# Altium PCB NG2093.PcbDoc (part 1 of 8) (continued)
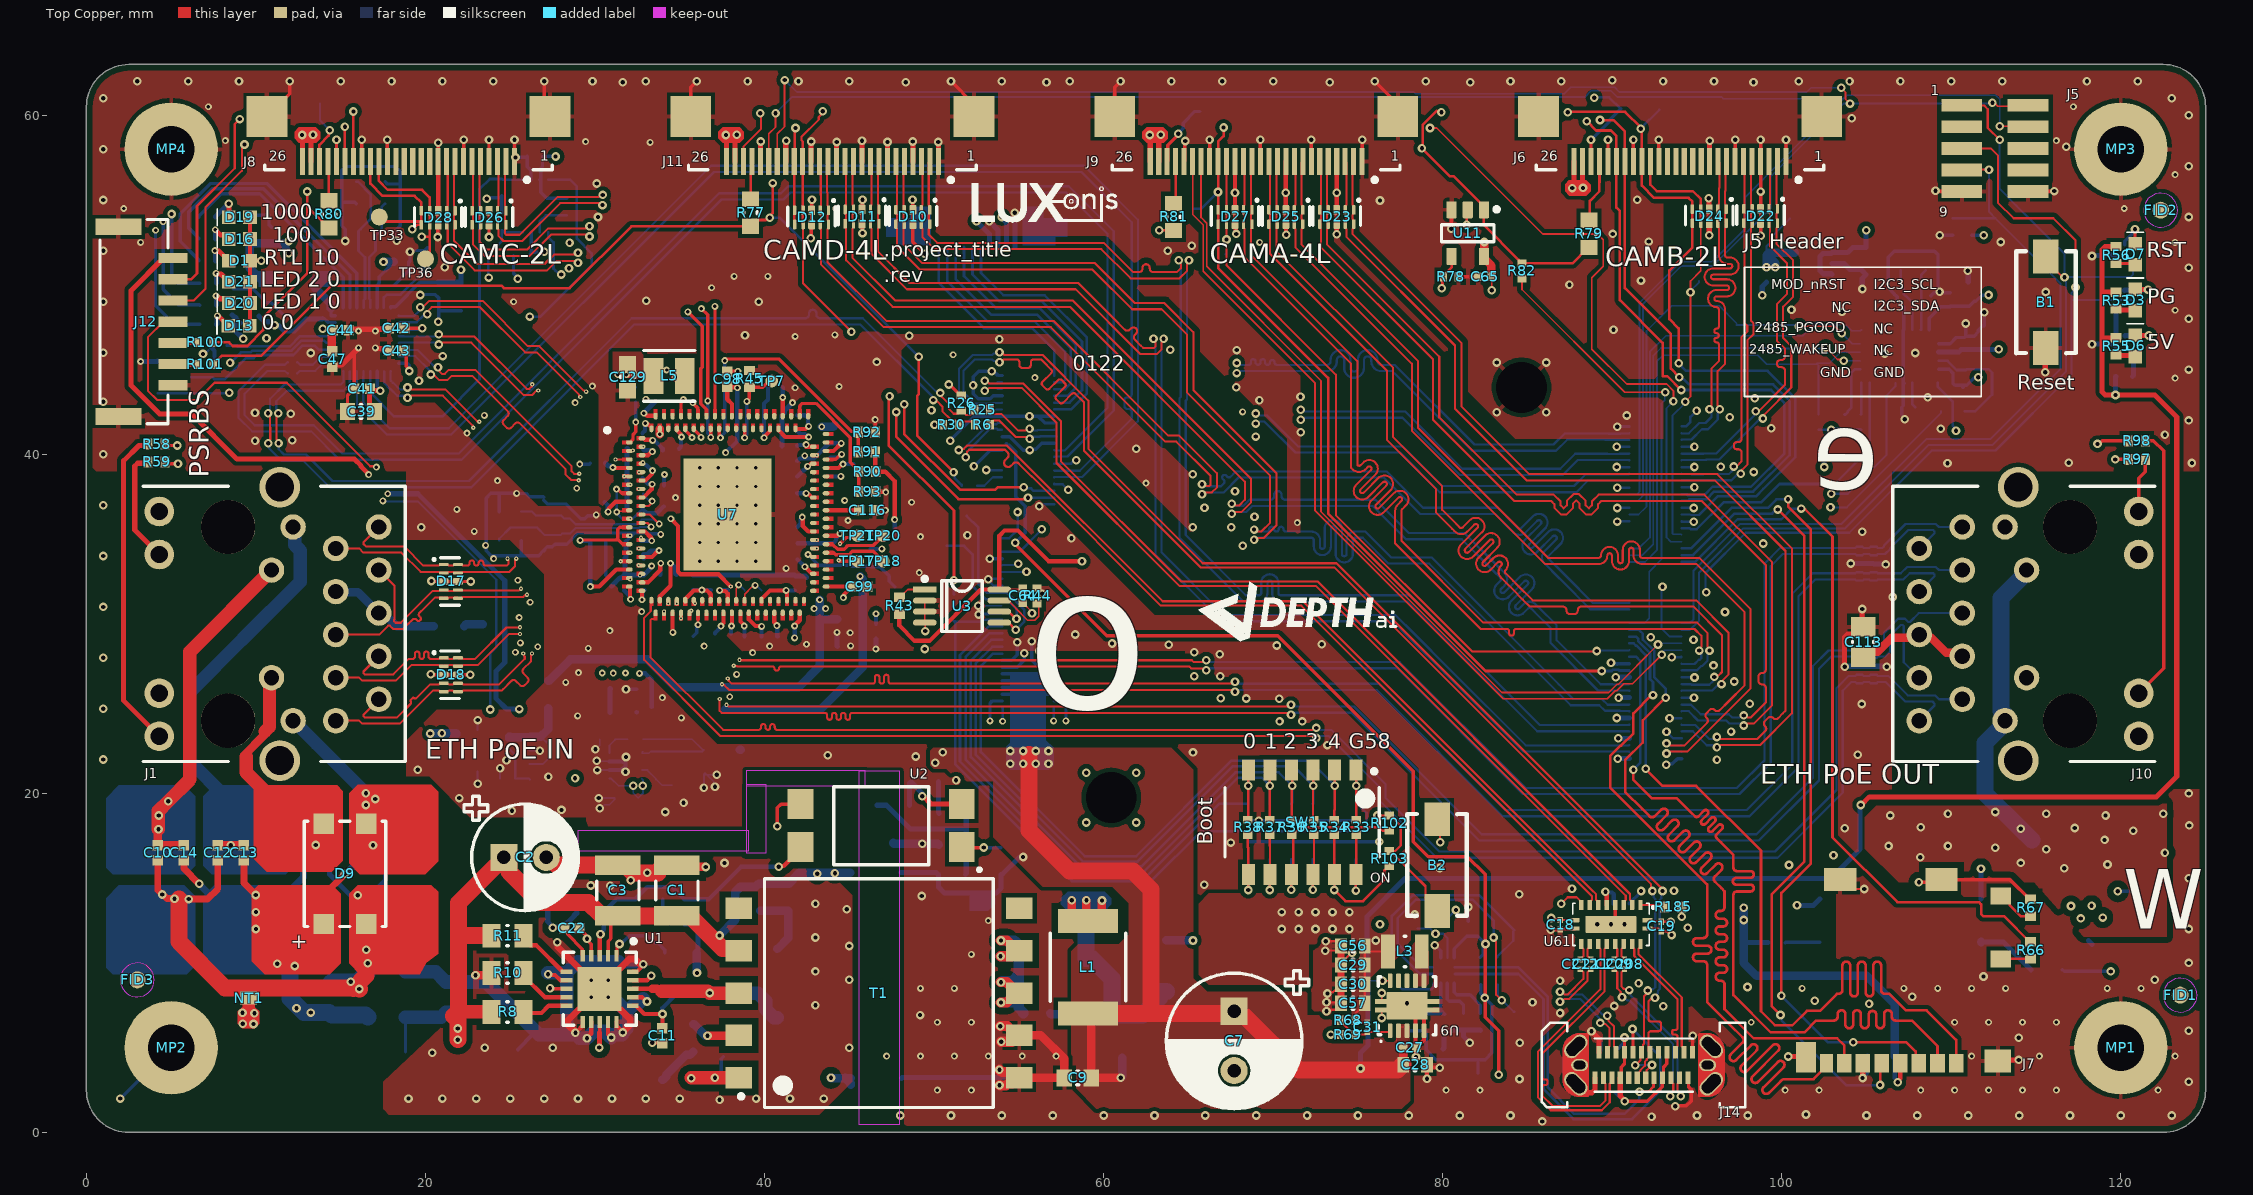
[diagram p0: Top Copper view]
## Design rules (kind name [scope] priority, off if disabled: settings) (continued)
MatchedLengths USBD_XSIG [InxSignalClass('USBD')] p3: tolerance=1.27 checknetsindiffpair=TRUE checkdiffpairvsdiffpair=FALSE checkxsignals=FALSE checkothers=FALSE usedelayunits=TRUE delaytolerance=1.000000
MatchedLengths USBRX_XSIG [InxSignalClass('USBRX')] p4: tolerance=0.127 checknetsindiffpair=TRUE checkdiffpairvsdiffpair=FALSE checkxsignals=FALSE checkothers=FALSE usedelayunits=TRUE delaytolerance=1.000000
MatchedLengths USBTX_XSIG [InxSignalClass('USBTX')] p5: tolerance=0.127 checknetsindiffpair=TRUE checkdiffpairvsdiffpair=FALSE checkxsignals=FALSE checkothers=FALSE usedelayunits=TRUE delaytolerance=1.000000
MatchedLengths SPI [InNetClass('QSPI')] p6: tolerance=25.4 checknetsindiffpair=FALSE checkdiffpairvsdiffpair=TRUE checkxsignals=TRUE checkothers=TRUE usedelayunits=TRUE delaytolerance=10.000000
MatchedLengths SDIO [InNetClass('SDIO')] p7: tolerance=25.4 checknetsindiffpair=FALSE checkdiffpairvsdiffpair=TRUE checkxsignals=TRUE checkothers=TRUE usedelayunits=TRUE delaytolerance=10.000000
MatchedLengths MIPI_A [InNetClass('MIPI_CAM_A')] p8: tolerance=25.4 checknetsindiffpair=FALSE checkdiffpairvsdiffpair=TRUE checkxsignals=TRUE checkothers=TRUE usedelayunits=TRUE delaytolerance=1.000000
MatchedLengths MIPI_B [InNetClass('MIPI_CAM_B')] p9: tolerance=25.4 checknetsindiffpair=FALSE checkdiffpairvsdiffpair=TRUE checkxsignals=TRUE checkothers=TRUE usedelayunits=TRUE delaytolerance=1.000000
MatchedLengths MIPI_C [InNetClass('MIPI_CAM_C')] p10: tolerance=25.4 checknetsindiffpair=FALSE checkdiffpairvsdiffpair=TRUE checkxsignals=TRUE checkothers=TRUE usedelayunits=TRUE delaytolerance=1.000000
MatchedLengths DIFF_PAIR [(InDifferentialPairClass('100ohm') or InDifferentialPairClass('85ohm'))] p11: tolerance=0.127 checknetsindiffpair=TRUE checkdiffpairvsdiffpair=FALSE checkxsignals=FALSE checkothers=FALSE usedelayunits=TRUE delaytolerance=1.000000
MinimumSolderMaskSliver USB3_Connector [HasFootprint('105450-0101')  OR HasFootprint('CX80B1-24P') OR HasFootprint('TPD4E02B04DQAR')  OR HasFootprint('RTL8111HX-CG')] p1: minsoldermaskwidth=0.003
MinimumSolderMaskSliver RTL8111 [HasFootprint('CX80B1-24P')] p2: minsoldermaskwidth=0.003
MinimumSolderMaskSliver [All] p3: minsoldermaskwidth=0.045
PlaneConnect [All] p1: pad.planeconnectstyle=Relief pad.reliefexpansion=0.508 pad.reliefentries=4 pad.reliefconductorwidth=0.254 pad.reliefairgap=0.254 via.planeconnectstyle=Direct via.reliefexpansion=0.508 via.reliefentries=4 via.reliefconductorwidth=0.254 via.reliefairgap=0.254
PolygonConnect DirectConnect [InPolygonClass('DirectConnectPoly')] p1: connectstyle=Direct reliefconductorwidth=0.254 reliefentries=4 polygonreliefangle="90 Angle" airgapwidth=0.254
PolygonConnect OuterLayerGND_PolyClass [InPolygonClass('OuterLayerGND')] p2: thpad.connectstyle=Relief thpad.reliefconductorwidth=0.254 thpad.reliefentries=4 thpad.polygonreliefangle="90 Angle" thpad.airgapwidth=0.2 smdpad.connectstyle=Relief smdpad.reliefconductorwidth=0.254 smdpad.reliefentries=4 smdpad.polygonreliefangle="90 Angle" smdpad.airgapwidth=0.2 via.connectstyle=Direct via.reliefconductorwidth=0.254 via.reliefentries=4 via.polygonreliefangle="90 Angle" via.airgapwidth=0.254
PolygonConnect PoE_Poly [InPolygonClass('PoE_Poly')] p3: thpad.connectstyle=Direct thpad.reliefconductorwidth=0.254 thpad.reliefentries=4 thpad.polygonreliefangle="90 Angle" thpad.airgapwidth=0.254 smdpad.connectstyle=Relief smdpad.reliefconductorwidth=0.254 smdpad.reliefentries=4 smdpad.polygonreliefangle="90 Angle" smdpad.airgapwidth=0.254 via.connectstyle=Direct via.reliefconductorwidth=0.254 via.reliefentries=4 via.polygonreliefangle="90 Angle" via.airgapwidth=0.254
PolygonConnect Default [All] p4: thpad.connectstyle=Relief thpad.reliefconductorwidth=0.254 thpad.reliefentries=4 thpad.polygonreliefangle="90 Angle" thpad.airgapwidth=0.254 smdpad.connectstyle=Relief smdpad.reliefconductorwidth=0.254 smdpad.reliefentries=4 smdpad.polygonreliefangle="90 Angle" smdpad.airgapwidth=0.2 via.connectstyle=Direct via.reliefconductorwidth=0.254 via.reliefentries=4 via.polygonreliefangle="90 Angle" via.airgapwidth=0.254
RoutingLayers [All] p1: top layer_v5=TRUE mid layer 1_v5=TRUE mid layer 2_v5=TRUE mid layer 3_v5=TRUE mid layer 4_v5=FALSE bottom layer_v5=TRUE
RoutingVias Routing_MicroVias [IsMicroVia] p1: holewidth=0.102 width=0.254 viastyle="Through Hole" minholewidth=0.102 minwidth=0.254 maxholewidth=0.102 maxwidth=0.254
RoutingVias Routing_SkipVia [IsSkipVia] p2: holewidth=0.102 width=0.254 viastyle="Through Hole" minholewidth=0.102 minwidth=0.254 maxholewidth=0.102 maxwidth=0.254
RoutingVias [All] p3: holewidth=0.254 width=0.508 viastyle="Through Hole" minholewidth=0.2 minwidth=0.406 maxholewidth=25.4 maxwidth=25.4 viatemplateguid#1={31445211-ACDB-4102-9B20-5951DACDCB8A} viatemplatename#1=v41h20m0mx0
SilkToSilkClearance [All] p1: silktosilkclearance=0.025
SilkToSolderMaskClearance SilkscreenOverComponentException [InComponent('U15')] p1: minsilkscreentomaskgap=0.076 clearancetoexposedcopper=TRUE
SilkToSolderMaskClearance SilkscreenOverComponentPads [IsPad] p2: minsilkscreentomaskgap=0.127 clearancetoexposedcopper=TRUE
SolderMaskExpansion SolderMaskExpansion_Via [isvia] p1: expansion=-10 istentingtop=TRUE
SolderMaskExpansion [All] p2: expansion=0.051 istentingtop=FALSE
UnRoutedNet [All] p1: checkbadconnections=TRUE
ViasUnderSMD [All] p1: allowed=TRUE
Width "Schematic Width Constraint_1" [InNetClass('PoE')] p1: maxlimit=1.27 minlimit=0.102 preferedwidth=0.381
Width [All] p2: maxlimit=2.54 minlimit=0.102 preferedwidth=0.127
18 further rules are at their usual default settings.

## Classes and differential pairs
differential pair class 100ohm: CAM_L_C CAM_L_D0 CAM_L_D1 CAM_R_C CAM_R_D0 CAM_R_D1 MIPI2_C MIPI2_D0 MIPI2_D1 MIPI2_D2 MIPI2_D3 MIPI_C MIPI_D0 MIPI_D1 MIPI_D2 MIPI_D3 SDS_IO_CLKI SDS_REF_CLK SDS_RXD SDS_RXD1 SDS_TXD TXRX0A TXRX0B TXRX0C TXRX0D TXRX1A TXRX1B TXRX1C TXRX1D TXRX2A TXRX2B TXRX2C TXRX2D
component class U_EEPROM: C64 R43 R44 U3
component class U_NG2093_CAM_4Lane: D10 D11 D12 D23 D25 D27 J9 J11 R77 R81 TP4 TP16 TP31 TP32 TP37
net class MIPI_CAM_D: MIPI2_C_N MIPI2_C_P MIPI2_D0_N MIPI2_D0_P MIPI2_D1_N MIPI2_D1_P MIPI2_D2_N MIPI2_D2_P MIPI2_D3_N MIPI2_D3_P
component class U_RJ45_2: C113 D30 D31 J10 R97 R98
component class U_NG2093_CAM_2Lane: D22 D24 D26 D28 J6 J8 R79 R80 TP23 TP24 TP33 TP34 TP35 TP36
component class U_Ethernet_Switch: C66 C67 C68 C69 C70 C71 C72 C75 C77 C78 C79 C80 C81 C82 C83 C84 C85 C86 C87 C88 C89 C97 C98 C99 C100 C101 C102 C103 C104 C105 C106 C107 C108 C109 C110 C111 C112 C114 C115 C116 C117 C118 C119 C120 C121 C122 C123 C124 C125 C126 C127 C128 C129 C130 C131 C132 C133 D29 FB5 L5 R45 R65 R75 R76 R88 R89 R90 R91 R92 R93 TP7 TP14 TP15 TP17 TP18 TP20 TP21 U7 X2
component class U_NG2093_IMU: C90 C91 C92 C93 C94 C95 C96 R83 R84 R85 R86 R95 TP19 TP25 TP26 U12 Y1
polygon class PoE_Poly: VNEG_IN_L01_P432 VNEG_L01_P434 VNEG_L04_P456 VPOS_IN_L01_P431
polygon class DirectConnectPoly: 1V2_A_L06_P514 1V2_L01_P494 1V2_L06_P518 1V8_L03_P508 3v3_L01_P-001 3V3_L06 3V3_L06_P534 5V_POE_L02_P506 5V_POE_L06_P519 LX1_L01_P493 NETC60_2_L06_P511 NETL4_1_L06_P496 PCIE_1V0_L03_P-001
net class Power_trace: 1V2 1V8 3V3 5V_PoE GND NetC59_2 NetC60_2 NetL4_1
component class U_POWER_GEN: C20 C27 C28 C29 C30 C31 C32 C56 C57 C58 C59 C60 C62 C63 L3 L4 R39 R40 R41 R42 R64 R68 R69 R94 TP3 U8 U9 U13 U14
net class PoE: CT1 CT2 NetC6_2 SP1 SP2 SWO VNEG VNEG_IN VNEG_OUT VPOS VPOS_IN VPOS_OUT VSEC VSS
component class TopLevel: FID1 FID2 FID3 FID4 FID5 FID6 MH1 MH2 MP1 MP2 MP3 MP4
differential pair class USB3: RXB RXC TXB TXB1 TXC TXC1 USB_D USB_RX USB_TX
net class USB: USB_D_N USB_D_P USB_RX_N USB_RX_P USB_TX_N USB_TX_P
net class SDIO: sd_hst0_clk sd_hst0_cmd sd_hst0_dat_0 sd_hst0_dat_1 sd_hst0_dat_2 sd_hst0_dat_3
net class QSPI: BNO08x_CIPO_1V8 BNO08x_COPI_1V8 BNO08x_CS_1V8 BNO08x_SCK_1V8
net class MIPI_CAM_C: CAM_R_C_N CAM_R_C_P CAM_R_D0_N CAM_R_D0_P CAM_R_D1_N CAM_R_D1_P
net class MIPI_CAM_B: CAM_L_C_N CAM_L_C_P CAM_L_D0_N CAM_L_D0_P CAM_L_D1_N CAM_L_D1_P
net class MIPI_CAM_A: MIPI_C_N MIPI_C_P MIPI_D0_N MIPI_D0_P MIPI_D1_N MIPI_D1_P MIPI_D2_N MIPI_D2_P MIPI_D3_N MIPI_D3_P
component class U_RJ45_1: C10 C12 C13 C14 C15 C16 C17 C50 C54 D8 D9 D17 D18 J1 R58 R59
component class U_ETH_PCIE_PHY: C21 C34 C35 C36 C37 C38 C39 C40 C41 C42 C43 C44 C45 C46 C47 C48 C49 C51 C52 C53 D1 D13 D16 D19 D20 D21 L2 Q1 R28 R29 R46 R47 R48 R49 R50 R70 R71 R72 R73 R74 R87 U4 U6 X1
component class U_NG2093_USB: C18 C19 C61 C73 C74 C76 C207 C208 C209 C211 C212 J14 R31 R32 R183 R185 R186 R187 R190 R213 R214 TP40 TP41 TP42 TP43 TP44 U61 U62
component class U_CONNECTOR_B: C C65 J3 q R6 R25 R26 R27 R30 R78 R99 U11
component class U_CONNECTOR_A: B1 J2 J12 R82 R100 R101 TP27 TP28 TP29 TP30
component class U_BOOT_JTAG_AUX: B2 C55 D3 D6 D7 J4 J5 J7 Q2 Q3 Q4 R1 R2 R7 R9 R16 R19 R20 R21 R22 R23 R33 R34 R35 R36 R37 R38 R53 R54 R55 R56 R60 R61 R63 R66 R67 R102 R103 SW1 TP1 TP2
net class ETH: TXRX0A_N TXRX0A_P TXRX0B_N TXRX0B_P TXRX0C_N TXRX0C_P TXRX0D_N TXRX0D_P TXRX1A_N TXRX1A_P TXRX1B_N TXRX1B_P TXRX1C_N TXRX1C_P TXRX1D_N TXRX1D_P TXRX2A_N TXRX2A_P TXRX2B_N TXRX2B_P TXRX2C_N TXRX2C_P TXRX2D_N TXRX2D_P
component class U_PoE_Si3404: C1 C2 C3 C4 C5 C6 C7 C8 C9 C11 C22 C23 C24 C25 C26 C33 D2 D4 D5 FB2 FB3 L1 NT1 Q5 R3 R4 R5 R8 R10 R11 R12 R13 R14 R15 R17 R18 R24 R51 R52 R57 T1 TP5 TP6 TP8 TP9 TP10 TP11 TP12 TP13 U1 U2 U5 U10
differential pair TXRX2D: +TXRX2D_P -TXRX2D_N
differential pair TXRX2C: +TXRX2C_P -TXRX2C_N
differential pair TXRX2B: +TXRX2B_P -TXRX2B_N
differential pair TXRX2A: +TXRX2A_P -TXRX2A_N
differential pair TXRX1D: +TXRX1D_P -TXRX1D_N
differential pair TXRX1C: +TXRX1C_P -TXRX1C_N
differential pair TXRX1B: +TXRX1B_P -TXRX1B_N
differential pair TXRX1A: +TXRX1A_P -TXRX1A_N
differential pair TXRX0D: +TXRX0D_P -TXRX0D_N
differential pair TXRX0C: +TXRX0C_P -TXRX0C_N
differential pair TXRX0B: +TXRX0B_P -TXRX0B_N
differential pair TXRX0A: +TXRX0A_P -TXRX0A_N
differential pair SDS_TXD: +SDS_TXD_P -SDS_TXD_N
differential pair SDS_RXD: +SDS_RXD_P -SDS_RXD_N
differential pair SDS_RXD1: +SDS_RXD1_P -SDS_RXD1_N
differential pair SDS_REF_CLK: +SDS_REF_CLK_P -SDS_REF_CLK_N
differential pair SDS_IO_CLKI: +SDS_IO_CLKI_P -SDS_IO_CLKI_N
differential pair MIPI_D3: +MIPI_D3_P -MIPI_D3_N
differential pair MIPI_D2: +MIPI_D2_P -MIPI_D2_N
differential pair MIPI_D1: +MIPI_D1_P -MIPI_D1_N
differential pair MIPI_D0: +MIPI_D0_P -MIPI_D0_N
differential pair MIPI_C: +MIPI_C_P -MIPI_C_N
differential pair MIPI2_D3: +MIPI2_D3_P -MIPI2_D3_N
differential pair MIPI2_D2: +MIPI2_D2_P -MIPI2_D2_N
differential pair MIPI2_D1: +MIPI2_D1_P -MIPI2_D1_N
differential pair MIPI2_D0: +MIPI2_D0_P -MIPI2_D0_N
differential pair MIPI2_C: +MIPI2_C_P -MIPI2_C_N
differential pair CAM_R_D1: +CAM_R_D1_P -CAM_R_D1_N
differential pair CAM_R_D0: +CAM_R_D0_P -CAM_R_D0_N
differential pair CAM_R_C: +CAM_R_C_P -CAM_R_C_N
differential pair CAM_L_D1: +CAM_L_D1_P -CAM_L_D1_N
differential pair CAM_L_D0: +CAM_L_D0_P -CAM_L_D0_N
differential pair CAM_L_C: +CAM_L_C_P -CAM_L_C_N
differential pair USB_TX: +USB_TX_P -USB_TX_N
differential pair TXC: +TXC_P -TXC_N
differential pair TXC1: +TXC1_P -TXC1_N
differential pair TXB: +TXB_P -TXB_N
differential pair TXB1: +TXB1_P -TXB1_N
differential pair RXC: +RXC_P -RXC_N
differential pair RXB: +RXB_P -RXB_N
differential pair USB_RX: +USB_RX_P -USB_RX_N
differential pair USB_D: +USB_D_P -USB_D_N

## Components (designator, comment, footprint, x,y, rotation, side; value= is the part's Value field where it differs from the comment)
B1 "Off-Mom, 50mA" DTSM-32N-V 115.575,48.975 r90 top
B2 "Off-Mom, 50mA" DTSM-32N-V 79.675,15.775 r270 top
C1 "1uF 1210" CAPC1210(3225)280_N 34.823,14.275 r270 top
C2 "12uF 6.3mm" EEU-FC2A120 25.873,16.225 r0 top
C3 "1uF 1210" CAPC1210(3225)280_N 31.348,14.275 r270 top
C4 "0.1UF 0805" CAPC0805(2012)145_N 39.65,13.875 r90 bottom
C5 "1nF 0603 C0G" CAPC0603(1608)100_N 56.055,7.024 r180 bottom
C6 "100uF 1206" CAPC1206(3216)190_N 63.7,9.825 r270 bottom
C7 "1000uF 8mm" ECA-0JM102 67.7,5.4 r270 top
C8 "0.1UF 0805" CAPC0805(2012)145_N 21.35,7.975 r270 bottom
C9 "22NF 0603" CAPC0603(1608)100_N 58.475,3.225 r0 top
C10 "1nF 0402" CAPC0402(1005)60_N 4.21,16.5 r270 top
C11 "1uF 0402" CAPC0402(1005)70_N 33.975,5.708 r90 top
C12 "1nF 0402" CAPC0402(1005)60_N 7.75,16.5 r270 top
C13 "1nF 0402" CAPC0402(1005)60_N 9.29,16.5 r270 top
C14 "1nF 0402" CAPC0402(1005)60_N 5.75,16.5 r270 top
C15 "1nF 0402" CAPC0402(1005)60_N 12.81,16.501 r270 bottom
C16 "1nF 0402" CAPC0402(1005)60_N 14.35,16.501 r270 bottom
C17 "1nF 0402" CAPC0402(1005)60_N 17.65,16.513 r270 bottom
C18 "0.1uF 0201" CAPC0201(0603)33_L 86.925,12.25 r90 top
C19 "0.1uF 0201" CAPC0201(0603)33_L 92.9,12.15 r90 top
C20 "1uF 0402" CAPC0402(1005)70_L 23.075,21.675 r270 bottom
C21 "4.7uF 0603" CAPC0603(1608)100_N 9.575,48.1 r0 bottom
C22 "0.1uF 0402" CAPC0402(1005)60_N 28.623,12.041 r180 top
C23 "2.2nF 0603" CAPC0603(1608)100_N 49.451,20.7 r0 bottom
C24 "10nF 0402" CAPC0402(1005)60_N 34.823,12.3 r180 bottom
C25 "1nF 1206" CAPC1206(3216)190_N 46.575,3.2 r0 bottom
C26 "1nF 1206" CAPC1206(3216)190_N 46.548,15.325 r0 bottom
C27 "2.2uF 0402" CAPC0402(1005)70_L 78.05,5 r0 top
C28 "22uF 0603" CAPC0603(1608)100_L 78.375,4 r0 top
C29 "22uF 0603" CAPC0603(1608)100_L 74.7,9.875 r180 top
C30 "22uF 0603" CAPC0603(1608)100_L 74.7,8.75 r180 top
C31 "33pF 0201" CAPC0201(0603)33_L 75.55,6.2 r90 top
C32 "10uF 0603" CAPC0603(1608)100_L 31.85,19.725 r0 bottom
C33 "0.1UF 0805" CAPC0805(2012)145_N 14.4,7.9 r270 bottom
C34 "0.1uF 0402" CAPC0402(1005)70_N 11.657,47.736 r270 bottom
C35 "0.1uF 0201" CAPC0201(0603)33_L 12.154,44.777 r0 bottom
C36 "4.7uF 0603" CAPC0603(1608)100_N 9.615,53.309 r270 bottom
C37 "0.1uF 0402" CAPC0402(1005)70_N 10.981,52.971 r270 bottom
C38 "4.7uF 0603" CAPC0603(1608)100_N 22.1,49.275 r90 bottom
C39 "4.7uF 0603" CAPC0603(1608)100_N 16.2,42.525 r0 top
C40 "0.1uF 0402" CAPC0402(1005)70_N 20.75,49.7 r90 bottom
C41 "0.1uF 0402" CAPC0402(1005)70_N 16.251,43.874 r0 top
C42 "0.1uF 0402" CAPC0402(1005)70_N 18.289,47.448 r0 top
C43 "0.1uF 0402" CAPC0402(1005)70_N 18.289,46.121 r0 top
C44 "0.1uF 0402" CAPC0402(1005)70_N 14.988,47.306 r180 top
C45 "0.1uF 0402" CAPC0402(1005)70_N 17.7,49.975 r180 bottom
C46 "1uF 0402" CAPC0402(1005)70_N 18.575,51.35 r180 bottom
C47 "1uF 0402" CAPC0402(1005)70_N 14.496,45.619 r90 top
C48 "27pF 0402" CAPC0402(1005)60_N 15.717,53.285 r0 bottom
C49 "27pF 0402" CAPC0402(1005)60_N 17.867,53.285 r180 bottom
C50 "0.1UF 0805" CAPC0805(2012)145_N 21.375,29.849 r180 bottom
C51 "0.1uF 0201" CAPC0201(0603)33_L 12.156,45.435 r0 bottom
C52 "0.1uF 0402" CAPC0402(1005)70_N 26.45,57.575 r0 bottom
C53 "0.1uF 0402" CAPC0402(1005)70_N 25.644,51.713 r0 bottom
C54 "1nF 0402" CAPC0402(1005)60_N 16.11,16.513 r270 bottom
C55 "4.7uF 0603" CAPC0603(1608)100_N 105.858,4.5 r0 bottom
C56 "22uF 0603" CAPC0603(1608)100_L 74.7,11 r180 top
C57 "22uF 0603" CAPC0603(1608)100_L 74.7,7.625 r180 top
C58 "10uF 0402" CAPC0402(1005)70_L 23.075,23.35 r270 bottom
C59 "10uF 0402" CAPC0402(1005)70_L 26.15,22.925 r90 bottom
C60 "22uF 0603" CAPC0603(1608)100_L 36.45,21.875 r90 bottom
C61 "1uF 0402" CAPC0402(1005)70_N 80.125,6.525 r90 bottom
C62 "10uF 0603" CAPC0603(1608)100_N 104.975,51.4 r90 bottom
C63 "10uF 0603" CAPC0603(1608)100_N 99.1,50.95 r90 bottom
C64 "0.1uF 0402" CAPC0402(1005)70_L 55.225,31.65 r90 top
C65 "0.1uF 0402" CAPC0402(1005)70_L 82.475,50.475 r0 top
C66 "GRM1555C1H102JA01D" FP-GRM155-0_05-IPC_B 38.825,28.825 r90 bottom value=1nF
C67 "22uF 0603" CAPC0603(1608)100_N 44.3,29.475 r90 bottom
C68 "22uF 0603" CAPC0603(1608)100_N 44.95,41.725 r180 bottom
C69 "22uF 0603" CAPC0603(1608)100_N 31.675,26.15 r180 bottom
C70 "0.1uF 0402" CAPC0402(1005)70_N 34.8,32.425 r90 bottom
C71 "0.1uF 0402" CAPC0402(1005)70_N 41.475,39.6 r0 bottom
C72 "0.1uF 0402" CAPC0402(1005)70_N 41.5,33.8 r0 bottom
C73 "10uF 0402" CAPC0402(1005)70_N 89.779,4.825 r0 bottom
C74 "10uF 0402" CAPC0402(1005)70_N 90.538,13.482 r180 bottom
C75 "0.1uF 0402" CAPC0402(1005)70_N 41.5,35.725 r0 bottom
C76 "10uF 0402" CAPC0402(1005)70_N 81.5,12 r270 bottom
C77 "0.1uF 0402" CAPC0402(1005)70_N 35.4,40.325 r180 bottom
C78 "0.1uF 0402" CAPC0402(1005)70_N 30.175,33.925 r180 bottom
C79 "0.1uF 0402" CAPC0402(1005)70_N 32.35,40.35 r0 bottom
C80 "0.1uF 0402" CAPC0402(1005)70_N 32.35,41.25 r0 bottom
C81 "0.1uF 0402" CAPC0402(1005)70_N 41.475,37.725 r0 bottom
C82 "0.1uF 0402" CAPC0402(1005)70_N 41.475,41.375 r0 bottom
C83 "0.1uF 0402" CAPC0402(1005)70_N 31.725,32.425 r270 bottom
C84 "0.1uF 0402" CAPC0402(1005)70_N 41.475,38.7 r0 bottom
C85 "0.1uF 0402" CAPC0402(1005)70_N 41.475,40.5 r0 bottom
C86 "0.1uF 0402" CAPC0402(1005)70_N 41.5,34.75 r0 bottom
C87 "0.1uF 0402" CAPC0402(1005)70_N 34,39.875 r90 bottom
C88 "0.1uF 0402" CAPC0402(1005)70_N 32.35,39.475 r0 bottom
C89 "0.1uF 0402" CAPC0402(1005)70_N 30.175,34.85 r180 bottom
C90 "10uF 0603" CAPC0603(1608)100_L 111.95,46.875 r270 bottom
C91 "0.1uF 0402" CAPC0402(1005)70_L 110.853,46.575 r270 bottom
C92 "10uF 0603" CAPC0603(1608)100_L 111,49.475 r270 bottom
C93 "0.1uF 0402" CAPC0402(1005)70_L 109.938,49.125 r270 bottom
C94 "0.1uF 0402" CAPC0402(1005)70_L 107.475,42.775 r180 bottom
C95 "18pF 0201" CAPC0201(0603)33_L 107.011,49.357 r0 bottom
C96 "18pF 0201" CAPC0201(0603)33_L 108.511,49.357 r180 bottom
C97 "0.1uF 0402" CAPC0402(1005)70_N 40.775,32.425 r270 bottom
C98 "0.1uF 0402" CAPC0402(1005)70_N 37.8,44.425 r270 top
C99 "0.1uF 0402" CAPC0402(1005)70_N 45.6,32.2 r180 top
C100 "0.1uF 0402" CAPC0402(1005)70_N 41.775,32.425 r270 bottom
C101 "0.1uF 0402" CAPC0402(1005)70_N 36.825,32.425 r270 bottom
C102 "0.1uF 0402" CAPC0402(1005)70_N 35.775,32.425 r270 bottom
C103 "0.1uF 0402" CAPC0402(1005)70_N 30.175,32.875 r180 bottom
C104 "0.1uF 0402" CAPC0402(1005)70_N 37.85,32.425 r270 bottom
C105 "10uF 0402" CAPC0402(1005)70_N 46.575,29.55 r90 bottom
C106 "0.1uF 0402" CAPC0402(1005)70_N 41.775,28.825 r90 bottom
C107 "0.1uF 0402" CAPC0402(1005)70_N 34.775,28.825 r90 bottom
C108 "0.1uF 0402" CAPC0402(1005)70_N 39.825,28.8 r90 bottom
C109 "0.1uF 0402" CAPC0402(1005)70_N 30.175,37.175 r0 bottom
C110 "27pF 0402" CAPC0402(1005)60_N 26.98,36.832 r270 bottom
C111 "27pF 0402" CAPC0402(1005)60_N 27.03,34.782 r90 bottom
C112 "10uF 0402" CAPC0402(1005)70_N 45.1,33.9 r270 bottom
C113 "0.1UF 0805" CAPC0805(2012)145_N 104.8,28.929 r270 top
C114 "GRM1555C1H102JA01D" FP-GRM155-0_05-IPC_B 32.3,38.6 r0 bottom value=1nF
C115 "0.1uF 0402" CAPC0402(1005)70_N 41.475,42.3 r0 bottom
C116 "0.1uF 0402" CAPC0402(1005)70_N 46.05,36.7 r180 top
C117 "0.1uF 0402" CAPC0402(1005)70_N 37.85,28.825 r90 bottom
C118 "0.1uF 0402" CAPC0402(1005)70_N 45.7,39.425 r180 bottom
C119 "0.1uF 0402" CAPC0402(1005)70_N 41.05,44.4 r270 bottom
C120 "0.1uF 0402" CAPC0402(1005)70_N 32.375,43.5 r270 bottom
C121 "0.1uF 0402" CAPC0402(1005)70_N 40.775,28.8 r90 bottom
C122 "0.1uF 0402" CAPC0402(1005)70_N 39.825,32.425 r270 bottom
C123 "0.1uF 0402" CAPC0402(1005)70_N 35.8,28.825 r90 bottom
C124 "0.1uF 0402" CAPC0402(1005)70_N 32.875,32.425 r270 bottom
C125 "0.1uF 0402" CAPC0402(1005)70_N 33.85,32.425 r90 bottom
C126 "0.1uF 0402" CAPC0402(1005)70_N 32.275,34.85 r0 bottom
C127 "0.1uF 0402" CAPC0402(1005)70_N 40.175,44.4 r270 bottom
C128 "04026D105KAT2A" CAPC1005X55X25LL05T10 32.35,36.775 r180 bottom value=1µF
C129 "22uF 0603" CAPC0603(1608)100_N 31.925,44.55 r90 top
C130 "10uF 0402" CAPC0402(1005)70_N 33.575,43.5 r270 bottom
C131 "0.1uF 0402" CAPC0402(1005)70_N 36.8,28.85 r90 bottom
C132 "0.1uF 0402" CAPC0402(1005)70_N 30.175,39.475 r0 bottom
C133 "0.1uF 0402" CAPC0402(1005)70_N 32.275,33.925 r0 bottom
C207 "10uF 0402" CAPC0402(1005)70_N 89.731,2.341 r0 bottom
C208 "0.1uF 0201" CAPC0201(0603)33_L 90.725,9.925 r90 top
C209 "0.1uF 0201" CAPC0201(0603)33_L 90.125,9.925 r90 top
C211 "0.1uF 0201" CAPC0201(0603)33_L 88.725,9.925 r90 top
C212 "0.1uF 0201" CAPC0201(0603)33_L 88.125,9.925 r90 top
D1 "GREEN 0603" SML_D1xx8W 9.025,51.413 r0 top
D2 "1N4148W" 1N4148W-7-F 33.975,4.675 r270 bottom
D3 "ORANGE 0603" SML_D1xx8W 120.85,49.1 r270 top
D4 "RS1B" RS1B 40.75,8.8 r270 bottom
D5 "PDS1040" PDS1040-13 57.847,10.25 r180 bottom
D6 "RED 0603" SML_D1xx8W 120.85,46.394 r270 top
D7 "ORANGE 0603" SML_D1xx8W 120.85,51.806 r270 top
D8 "CD-HD01" SMD-4 6.649,15.167 r90 bottom
D9 "CD-HD01" SMD-4 15.25,15.25 r90 top
D10 "TPD4E02B04DQAR" TPD4E02B04DQAR 48.75,54 r180 top
D11 "TPD4E02B04DQAR" TPD4E02B04DQAR 45.75,54.025 r180 top
D12 "TPD4E02B04DQAR" TPD4E02B04DQAR 42.775,53.975 r180 top
D13 "GREEN 0603" SML_D1xx8W 9,47.575 r0 top
D16 "ORANGE 0603" SML_D1xx8W 9.025,52.7 r0 top
D17 "TPD4E02B04DQAR" TPD4E02B04DQAR 21.5,32.5 r270 top
D18 "TPD4E02B04DQAR" TPD4E02B04DQAR 21.5,27 r270 top
D19 "GREEN 0603" SML_D1xx8W 9.025,53.987 r0 top
D20 "GREEN 0603" SML_D1xx8W 9.025,48.925 r0 top
D21 "GREEN 0603" SML_D1xx8W 9.025,50.175 r0 top
D22 "TPD4E02B04DQAR" TPD4E02B04DQAR 98.75,54.057 r180 top
D23 "TPD4E02B04DQAR" TPD4E02B04DQAR 73.75,54 r180 top
D24 "TPD4E02B04DQAR" TPD4E02B04DQAR 95.725,54.05 r180 top
D25 "TPD4E02B04DQAR" TPD4E02B04DQAR 70.75,54 r180 top
D26 "TPD4E02B04DQAR" TPD4E02B04DQAR 23.75,53.957 r180 top
D27 "TPD4E02B04DQAR" TPD4E02B04DQAR 67.75,54 r180 top
D28 "TPD4E02B04DQAR" TPD4E02B04DQAR 20.75,53.952 r180 top
D29 "1N4148W" 1N4148W-7-F 47.675,33.775 r270 bottom
D30 "TPD4E02B04DQAR" TPD4E02B04DQAR 105,27.5 r90 bottom
D31 "TPD4E02B04DQAR" TPD4E02B04DQAR 105,33.55 r90 bottom
FB2 "700R/150Mhz" 742792040 17.7,6.8 r0 bottom
FB3 "700R/150Mhz" 742792040 17.696,9.475 r0 bottom
FB5 "80R/100MHz" BK1608HS800-T_N 31.675,24.775 r180 bottom
FID1 "FIDUCIAL_ROUND_1MM" FIDUCIAL_ROUND_1MM 123.5,8.1 r180 top
FID2 "FIDUCIAL_ROUND_1MM" FIDUCIAL_ROUND_1MM 122.35,54.4 r180 top
FID3 "FIDUCIAL_ROUND_1MM" FIDUCIAL_ROUND_1MM 3,9 r0 top
FID4 "FIDUCIAL_ROUND_1MM" FIDUCIAL_ROUND_1MM 122.35,54.4 r90 bottom
FID5 "FIDUCIAL_ROUND_1MM" FIDUCIAL_ROUND_1MM 123.5,8.1 r90 bottom
FID6 "FIDUCIAL_ROUND_1MM" FIDUCIAL_ROUND_1MM 1.825,7.925 r90 bottom
J1 "802.3af PoE" TRJG0926HENL 8.359,30 r270 top locked
J2 "SoM-PRO_A Receptacle" CON_A_BW2099_SoM_DF40HC-3.0-100DS-0.4V_minpad 75.05,31.85 r180 bottom
J3 "SoM-PRO_B Receptacle" CON_B_BW2099_SoM_DF40HC-3.0-100DS-0.4V_minpad 75.05,31.85 r180 bottom
J4 "SFV10R-2STE1HLF Top Contact" SFV10R-2STE1HLF 52.525,52.725 r0 bottom
J5 "20021121-00010T1LF" 20021121-00010T1LF 112.575,58.05 r270 top
J6 "FLEX CONNECTOR, 0.50MM PITCH, HE" F32R-1A7H1-11026 94,58.5 r180 top locked
J7 "uSD push/pull" 104031-0811 107.175,9.5 r0 top locked
J8 "FLEX CONNECTOR, 0.50MM PITCH, HE" F32R-1A7H1-11026 19,58.5 r180 top locked
J9 "FLEX CONNECTOR, 0.50MM PITCH, HE" F32R-1A7H1-11026 69,58.5 r180 top locked
J10 "802.3af PoE" TRJG0926HENL 117,30 r90 top locked
J11 "FLEX CONNECTOR, 0.50MM PITCH, HE" F32R-1A7H1-11026 44,58.5 r180 top locked
J12 "SM07B-GHS-TB" SM07B-GHS-TB 3.5,47.825 r270 top
J14 "USB3.1 TYPEC 24P SMD Vertical" CX80B1-24P 91.85,3.975 r180 top locked
L1 "1uH 2.9A" DO1608C-102MLX 59.075,9.75 r270 top
L2 "2.2uH 0.61A 97mR" LQH32NH2R2J23L 12.312,50.341 r180 bottom
L3 "1uH, 3.2A, 20%" DFE252012P-1R0M=P2 77.775,10.675 r180 top
L4 "1uH, 3.2A, 20%" DFE252012P-1R0M=P2 34.55,21.475 r90 bottom
L5 "DFE252012P-4R7M=P2" FP-DFE252012C-IPC_C 34.375,44.625 r180 top
MH1 "M2, 3MM steel spacer on M2.5 mounting pad" 9774030243R 84.65,43.95 r45 bottom locked
MH2 "M2, 3MM steel spacer on M2.5 mounting pad" 9774030243R 60.45,19.75 r45 bottom
MP1 "MOUNTING_HOLE_M2.5" MOUNTING_HOLE_M2.5#1 120,5 r180 top
MP2 "MOUNTING_HOLE_M2.5" MOUNTING_HOLE_M2.5#1 5,5 r180 top
MP3 "MOUNTING_HOLE_M2.5" MOUNTING_HOLE_M2.5#2 120,57.9 r180 top
MP4 "MOUNTING_HOLE_M2.5" MOUNTING_HOLE_M2.5#2 5,57.9 r180 top
NT1 "NetTie" NET_TIE_TOP_1MM 9.566,7.925 r270 top net-tie
Q1 "PREBIAS'd DDTC114YCA-7-F" DDTC114YCA-7-F 5.2,44.55 r90 bottom
Q2 "RE1C002UNTCL" RE1C002UNTCL 120.225,49.069 r180 bottom
Q3 "RE1C002UNTCL" RE1C002UNTCL 120.245,46.381 r180 bottom
Q4 "RE1C002UNTCL" RE1C002UNTCL 120.225,51.756 r180 bottom
Q5 "RQ6P01SPTR" RQ6P015SPTR 119.275,15.2 r180 bottom
R1 "10K 0402" RESC0402(1005)_N 111.2,53.425 r90 bottom
R2 "1K 0402" RESC0402(1005)_N 74.885,16.65 r90 bottom
R3 "10R 0603" RESC0603(1608)_N 35.8,5.575 r90 bottom
R4 "18K 0603" RESC0603(1608)_N 41.4,13.875 r90 bottom
R5 "6.8R 0805" RESC0805(2012)_N 59.55,6.925 r0 bottom
R6 "22R 0402" RESC0402(1005)_L 52.85,41.75 r0 top
R7 "1K 0402" RESC0402(1005)_N 72.345,16.65 r90 bottom
R8 "88.7K 0805" RESC0805(2012)_N 24.839,7.109 r0 top
R9 "1K 0402" RESC0402(1005)_N 73.615,16.65 r90 bottom
R10 "48.7R 0805" RESC0805(2012)_N 24.839,9.409 r0 top
R11 "24.3k 0805" RESC0805(2012)_N 24.839,11.609 r0 top
R12 "4.99k 0603" RESC0603(1608)_N 29.723,12.975 r180 bottom
R13 "0.62R 0805" RESC0805(2012)_N 35.063,10.59 r0 bottom
R14 "36.5k 0603" RESC0603(1608)_N 51.048,15.225 r180 bottom
R15 "12.1k 0603" RESC0603(1608)_N 51.073,16.975 r0 bottom
R16 "1K 0402" RESC0402(1005)_N 68.535,16.65 r90 bottom
R17 "0R 0603" RESC0603(1608)_N 51.098,18.825 r180 bottom
R18 "0R 0603" RESC0603(1608)_N 33.198,13.75 r180 bottom
R19 "10K 0402" RESC0402(1005)_N 73.625,18.9 r270 bottom
R20 "10K 0402" RESC0402(1005)_N 72.35,18.9 r270 bottom
R21 "10K 0402" RESC0402(1005)_N 71.075,18.9 r270 bottom
R22 "10K 0402" RESC0402(1005)_N 69.8,18.9 r270 bottom
R23 "10K 0402" RESC0402(1005)_N 68.525,18.9 r270 bottom
R24 "2.05k 0603" RESC0603(1608)_N 53.948,16 r270 bottom
R25 "22R 0402" RESC0402(1005)_L 52.85,42.625 r0 top
R26 "49.9R 0402" RESC0402(1005)_L 51.6,43.025 r270 top
R27 "0R 0603" RESC0603(1608)_N 51.175,30.95 r90 bottom
R28 "10K 0402" RESC0402(1005)_N 7.55,44.925 r270 bottom
R29 "10K 0402" RESC0402(1005)_N 7.788,46.421 r0 bottom
R30 "49.9R 0402" RESC0402(1005)_L 51,41.75 r180 top
R31 "10K 0402" RESC0402(1005)_N 82.225,6.525 r270 bottom
R32 "10K 0402" RESC0402(1005)_N 81.225,6.525 r270 bottom
R33 "0R 0402" RESC0402(1005)_L 74.9,18 r90 top
R34 "0R 0402" RESC0402(1005)_L 73.6,18 r90 top
R35 "0R 0402" RESC0402(1005)_L 72.4,18 r90 top
R36 "0R 0402" RESC0402(1005)_L 71.1,18 r90 top
R37 "0R 0402" RESC0402(1005)_L 69.8,18 r90 top
R38 "0R 0402" RESC0402(1005)_L 68.5,18 r90 top
R39 "53.6k 0402" RESC0402(1005)_L 26.15,21.275 r90 bottom
R40 "13.3K 0402" RESC0402(1005)_L 24.85,20.875 r0 bottom
R41 "56K 0402" RESC0402(1005)_L 32.375,23.2 r0 bottom
R42 "33K 0402" RESC0402(1005)_L 30.725,23.2 r0 bottom
R43 "10K 0402" RESC0402(1005)_N 47.95,31.075 r270 top
R44 "1K 0402" RESC0402(1005)_L 56.075,31.65 r270 top
R45 "10K 0402" RESC0402(1005)_N 39.1,44.45 r270 top
R46 "10K 0402" RESC0402(1005)_N 24.51,55.742 r90 bottom
R47 "1M 0402" RESC0402(1005)_N 16.55,52.05 r0 bottom
R48 "2.49K 0402" RESC0402(1005)_N 20.125,51.7 r270 bottom
R49 "10K 0402" RESC0402(1005)_N 24.5,53.725 r270 bottom
R50 "10K 0402" RESC0402(1005)_N 28.325,54.6 r90 bottom
R51 "18K 0603" RESC0603(1608)_N 118.3,10.3 r270 bottom
R52 "88.7K 0805" RESC0805(2012)_N 115.6,9.6 r0 bottom
R53 "1K 0402" RESC0402(1005)_N 119.725,49.069 r90 top
R54 "1K 0402" RESC0402(1005)_N 120.2,44.6 r180 bottom
R55 "1K 0402" RESC0402(1005)_N 119.725,46.381 r90 top
R56 "1K 0402" RESC0402(1005)_N 119.725,51.756 r90 top
R57 "470R 0402" RESC0402(1005)_N 99.7,11.2 r180 bottom
R58 "470R 0402" RESC0402(1005)_N 4.136,40.604 r180 top
R59 "470R 0402" RESC0402(1005)_N 4.136,39.554 r180 top
R60 "1K 0402" RESC0402(1005)_N 71.075,16.65 r90 bottom
R61 "1K 0402" RESC0402(1005)_N 69.805,16.65 r90 bottom
R62 "RC0402FR-071KL" RESC0402(1005)_L 110.1,53.425 r90 bottom value=1k
R63 "10K 0402" RESC0402(1005)_N 74.9,18.9 r270 bottom
R64 "0R 0603" RESC0603(1608)_N 38.55,21.775 r90 bottom
R65 "ERJ-2RKF2371X" RESC1005X40X25NL05T05 32.35,37.675 r0 bottom
R66 "0R 0402" RESC0402(1005)_N 114.676,10.75 r90 top
R67 "0R 0402" RESC0402(1005)_N 114.676,13.25 r270 top
R68 "90.9K 0402" RESC0402(1005)_L 74.4,6.625 r0 top
R69 "20K 0402" RESC0402(1005)_L 74.4,5.775 r0 top
R70 "470R 0402" RESC0402(1005)_N 7.125,51.413 r0 bottom
R71 "470R 0402" RESC0402(1005)_N 7.125,52.7 r0 bottom
R72 "470R 0402" RESC0402(1005)_N 7.125,53.987 r0 bottom
R73 "470R 0402" RESC0402(1005)_N 7.175,48.8 r0 bottom
R74 "470R 0402" RESC0402(1005)_N 7.175,50.1 r0 bottom
R75 "ERJ-2RKF2371X" RESC1005X40X25NL05T05 38.825,32.425 r270 bottom
R76 "0R 0402" RESC0402(1005)_N 34,37.675 r270 bottom
R77 "0R 0603" RESC0603(1608)_N 39.175,54.25 r90 top
R78 "10K 0402" RESC0402(1005)_L 80.475,50.475 r180 top
R79 "0R 0603" RESC0603(1608)_N 88.625,53 r90 top
R80 "0R 0603" RESC0603(1608)_N 14.3,54.15 r90 top
R81 "0R 0603" RESC0603(1608)_N 64.125,54 r90 top
R82 "22R 0402" RESC0402(1005)_L 84.675,50.82 r270 top
R83 "10K 0402" RESC0402(1005)_L 110.85,44.525 r270 bottom
R84 "0R 0603" RESC0603(1608)_L 110.103,42.545 r180 bottom
R85 "2.2K 0402" RESC0402(1005)_L 104.675,41.9 r90 bottom
R86 "2.2K 0402" RESC0402(1005)_L 103.7,41.9 r90 bottom
R87 "470R 0402" RESC0402(1005)_N 7.175,47.675 r0 bottom
R88 "1M 0402" RESC0402(1005)_N 28.07,35.832 r270 bottom
R89 "10K 0402" RESC0402(1005)_N 46.25,33.9 r270 bottom
R90 "RC0402FR-1310KL" RESC0402(1005)_N 46.05,38.975 r0 top value=10k
R91 "RC0402FR-1310KL" RESC0402(1005)_N 46.023,40.144 r0 top value=10k
R92 "RC0402FR-1310KL" RESC0402(1005)_N 46.023,41.302 r0 top value=10k
R93 "RC0402FR-1310KL" RESC0402(1005)_N 46.05,37.8 r0 top value=10k
R94 "0R 0603" RESC0603(1608)_N 27.25,25.85 r90 bottom
R95 "RC0402FR-1310KL" RESC0402(1005)_L 102.175,41.9 r90 bottom value=10k
R97 "470R 0402" RESC0402(1005)_N 120.95,39.7 r0 top
R98 "470R 0402" RESC0402(1005)_N 120.95,40.8 r0 top
R99 "22R 0402" RESC0402(1005)_L 52.075,38.15 r0 bottom
R100 "0R 0402" RESC0402(1005)_L 7.025,46.6 r180 top
R101 "0R 0402" RESC0402(1005)_L 7.025,45.3 r180 top
R102 "0R 0402" RESC0402(1005)_L 76.85,18.25 r90 top
R103 "0R 0402" RESC0402(1005)_L 76.85,16.15 r90 top
R183 "10K 0402" RESC0402(1005)_N 79.525,4.925 r180 bottom
R185 "10K 0402" RESC0402(1005)_N 93.6,13.3 r0 top
R186 "10K 0402" RESC0402(1005)_N 80.2,12.1 r90 bottom
R187 "1.8MR 0402" RESC0402(1005)_N 79,6.5 r90 bottom
R190 "1.8MR 0402" RESC0402(1005)_N 78,6.5 r90 bottom
R213 "10K 0402" RESC0402(1005)_N 82.725,10.325 r180 bottom
R214 "10K 0402" RESC0402(1005)_N 82.75,8.725 r180 bottom
SW1 "A6H-6102 DIP SW" A6H-610x 71.71,18.3 r270 top locked
T1 "749119950" 749119950 46.748,8.225 r90 top locked
TP1 "TP100_200_NS" TP100_200_NS 50.75,34.6 r270 bottom
TP2 "TP100_200_NS" TP100_200_NS 51.925,36.375 r270 bottom
TP3 "TP100_200_NS" TP100_200_NS 100.475,53.9 r180 bottom
TP4 "TP100_200_NS" TP100_200_NS 39.7,60.175 r270 bottom
TP5 "TP100_200_NS" TP100_200_NS 18.825,4.75 r0 bottom
TP6 "TP100_200_NS" TP100_200_NS 61.1,4.4 r270 bottom
TP7 "TP075_150_NS" TP075_150_NS 40.425,44.325 r0 top
TP8 "TP100_200_NS" TP100_200_NS 34.725,8.092 r270 bottom
TP9 "TP100_200_NS" TP100_200_NS 51.174,3.25 r270 bottom
TP10 "TP100_200_NS" TP100_200_NS 32.221,11.598 r0 bottom
TP11 "TP100_200_NS" TP100_200_NS 27.078,13.315 r180 bottom
TP12 "TP100_200_NS" TP100_200_NS 37.562,4.478 r270 bottom
TP13 "TP100_200_NS" TP100_200_NS 25.45,4.9 r0 bottom
TP14 "TP075_150_NS" TP075_150_NS 43.8,39.725 r90 bottom
TP15 "TP075_150_NS" TP075_150_NS 43.8,38.7 r90 bottom
TP16 "TP100_200_NS" TP100_200_NS 43.45,60.4 r270 bottom
TP17 "TP075_150_NS" TP075_150_NS 45.5,33.7 r90 top
TP18 "TP075_150_NS" TP075_150_NS 47,33.7 r90 top
TP19 "TP100_200_NS" TP100_200_NS 106.175,41.45 r180 bottom
TP20 "TP075_150_NS" TP075_150_NS 47,35.2 r90 top
TP21 "TP075_150_NS" TP075_150_NS 45.5,35.2 r90 top
TP23 "TP100_200_NS" TP100_200_NS 90.5,60.375 r90 bottom
TP24 "TP100_200_NS" TP100_200_NS 13.775,60.675 r270 bottom
TP25 "TP100_200_NS" TP100_200_NS 104.715,39.84 r180 bottom
TP26 "TP100_200_NS" TP100_200_NS 112.4,43.525 r270 bottom
TP27 "TP100_200_NS" TP100_200_NS 97.328,47.738 r90 bottom
TP28 "TP100_200_NS" TP100_200_NS 102.201,47.807 r180 bottom
TP29 "TP100_200_NS" TP100_200_NS 99.6,46.214 r90 bottom
TP30 "TP100_200_NS" TP100_200_NS 102.085,45.32 r90 bottom
TP31 "TP100_200_NS" TP100_200_NS 65.675,60.225 r0 bottom
TP32 "TP100_200_NS" TP100_200_NS 65.35,54.475 r0 bottom
TP33 "TP100_200_NS" TP100_200_NS 17.275,54 r270 top
TP34 "TP100_200_NS" TP100_200_NS 92.775,60.35 r270 bottom
TP35 "TP100_200_NS" TP100_200_NS 95.125,50.225 r270 bottom
TP36 "TP100_200_NS" TP100_200_NS 20,51.525 r270 top
TP37 "TP100_200_NS" TP100_200_NS 67.2,51.8 r0 bottom
TP40 "TP100_200_NS" TP100_200_NS 82.085,3.5 r180 bottom
TP41 "TP100_200_NS" TP100_200_NS 78.525,12.025 r0 bottom
TP42 "TP100_200_NS" TP100_200_NS 77.525,8.525 r0 bottom
TP43 "TP100_200_NS" TP100_200_NS 84.225,7.125 r0 bottom
TP44 "TP100_200_NS" TP100_200_NS 84.225,11.925 r0 bottom
U1 "SI3404-A-GM" SI3404-A-GM 30.273,8.475 r270 top
U2 "VO618A-3X017T" VO618A-3X017T 46.875,18.1 r180 top
U3 "24AA32A-I/MS 8-MSOP" 24AA32A-I/MS 51.65,31.05 r0 top
U4 "RTL8111HS-CG" RTL8111HX-CG 16.55,46.775 r180 bottom
U5 "TLV431" TLV431BCDBZR 47.598,18.2 r270 bottom
U6 "TXS0102DCU" TXS0102DCUR 26.5,54.65 r270 bottom
U7 "AR8327N-AL1A" AR8327N-AL1A 37.825,36.45 r0 top locked
U8 "TLV70018DCK" TLV70018DCK 101.875,51.25 r270 bottom
U9 "TPS51313DRCR" VSON-TPS51313DRCR 77.9,7.475 r90 top
U10 "VO618A-3X017T" VO618A-3X017T 107,12.5 r0 bottom
U11 "NC7SZ66M5X" SOT235 81.477,53.05 r270 top
U12 "BNO085" BNO085 106.95,45.775 r90 bottom
U13 "NCP139AFCTC05ADJT2G" NCP139AFCTC05ADJT2G 24.578,22.787 r180 bottom
U14 "TLV62080DSG" TLV62080DSG 31.8,21.625 r0 bottom
U61 "USB Type-C Switch" CBTL02043A 89.925,12.275 r270 top
U62 "USB Type-C Port Control" TUSB321RWBR 80.075,9.55 r90 bottom
X1 "25MHz 18pF 2.50x2.00mm" ECS-250-18-36B-CKY-TR 16.767,55.435 r0 bottom
X2 "25MHz 18pF 2.50x2.00mm" ECS-250-18-36B-CKY-TR 25,35.77 r90 bottom
Y1 "ABS06-127-32.768KHZ-T" ABS06-127-32.768KHZ-T 107.761,50.857 r180 bottom

## Footprints (in the part's own frame and the unit in brackets; to place one, negate y for a bottom-side part, rotate by r counter-clockwise, add the part's x,y. Pads: shape width x height; smd on the part's side, far side on the other; paste and mask are expansions set on the pad)
1N4148W-7-F [mm] "SOD123, 2-Leads, Body 2.7x1.55mm, Height 1.45mm"
  rect 0.9x0.95 smd: 1(-1.575,0) 2(1.575,0)
  silkscreen extent -2.4,-0.87 0,0.87, body extent -1.35,-0.77 1.35,0.77, height 1.45
24AA32A-I/MS [mm] "Body: 3 x 3mm, pitch: 0.65mm"
  rect 1.4x0.35 smd mask+0.05: 1(-2.2,0.975)
  oval 1.4x0.35 smd mask+0.05: 2(-2.2,0.325) 3(-2.2,-0.325) 4(-2.2,-0.975) 5(2.2,-0.975) 6(2.2,-0.325) 7(2.2,0.325) 8(2.2,0.975)
  silkscreen extent -2.32,-1.5 1.2,1.72, body extent -2.45,-1.5 2.45,1.5, height 1.15
104031-0811 [mm] "10 (8 + 2) Position Card Connector Secure Digital - microSD™ Surface Mount, Right Angle Gold"
  rect 0.85x1.1 smd: 1(3.113,-5.412) 3(0.913,-5.412) 4(-0.188,-5.412) 5(-1.288,-5.412) 6(-2.387,-5.412) 7(-3.487,-5.412)
  rect 0.875x1.1 smd: 2(2.013,-5.412)
  rect 0.75x1.1 smd: 8(-4.537,-5.412)
  rect 1.2x1 smd: 9(5.748,0.738) 10(5.748,4.438)
  rect 1.9x1.35 smd: 11(2.248,5.413) 12(-3.722,5.413)
  rect 1.17x1.8 smd: 13(-5.747,-5.062)
  rect 1.55x1.35 smd: 14(5.573,-5.287)
  body extent -5.95,-5.65 6,5.75, height 1.44
20021121-00010T1LF [mm] "Connector Header Surface Mount 10 position 0.050\" (1.27mm)   Contact length: 0.120\" (3.05mm)"
  rect 0.76x2.4 smd: 1(-2.54,-1.95) 2(-2.54,1.95) 3(-1.27,-1.95) 4(-1.27,1.95) 5(0,-1.95) 6(0,1.95) 7(1.27,-1.95) 8(1.27,1.95) 9(2.54,-1.95) 10(2.54,1.95)
  body extent -3.18,-2.75 3.17,2.75, height 4.55
742792040 [mm] "Chip Inductor, 2-Leads, Body 2.0x1.2mm"
  rect 1x1 smd: 1(-1.1,0) 2(1.1,0)
  silkscreen extent -0.2,-0.6 0.2,0.6, body extent -1,-0.6 1,0.6, height 0.89
749119950 [mm] "SMD, 10-Leads, Body 13.5x14.0mm (max), Pitch 2.48mm, IPC Medium Density"
  rect 1.27x1.55 smd: 1(-5,8.275) 2(-2.5,8.275) 3(0,8.275) 4(2.5,8.275) 5(5,8.275) 6(5,-8.275) 7(2.5,-8.275) 8(0,-8.275) 9(-2.5,-8.275) 10(-5,-8.275)
  silkscreen extent -6.75,-6.75 6.75,8.25, body extent -6.75,-8.88 6.75,8.87, height 12.6
9774030243R [mm] "STANDOFF_M2X0.4_3MM with no pad on bottom of PCB"
  round 5.3 / inner round 2.7 / far side round 2.7 hole 3 mask+0.05: 1(0,0)
  body extent -2.17,-2.17 2.18,2.17, height 3.05
A6H-610x [mm] "DIP Sw, Std/SealTape Body 8.85x4.50mm, Pitch 1.27mm, IPC High Density"
  rect 1.25x0.76 smd: 1(-3.075,3.175) 2(-3.075,1.905) 3(-3.075,0.635) 4(-3.075,-0.635) 5(-3.075,-1.905) 6(-3.075,-3.175) 7(3.075,-3.175) 8(3.075,-1.905) 9(3.075,-0.635) 10(3.075,0.635) 11(3.075,1.905) 12(3.075,3.175)
  silkscreen extent -3.12,-4.55 2.02,4.55, body extent -3.35,-4.43 3.35,4.42, height 1.57
ABS06-127-32.768KHZ-T [mm] "2-SMD 0.079\" L x 0.047\" W (2.00mm x 1.20mm)"
  rect 0.75x1.4 smd: 1(-0.73,0) 2(0.73,0)
  body extent -1,-0.6 1,0.6, height 0.65